# Altium PCB DIO_MCX.PCBDOC (part 1 of 3)
Units mm, origin at the board's own origin, x right, y up, seen from the top; angles counter-clockwise.
Board outline 159.99 x 100 mm, 4 copper layers (L1, P2, P3, L4), stack 1.571 mm thick; 224 components, 126 nets, 876 pads, 343 vias.
Unrouted connection lines stored in the file: 1.
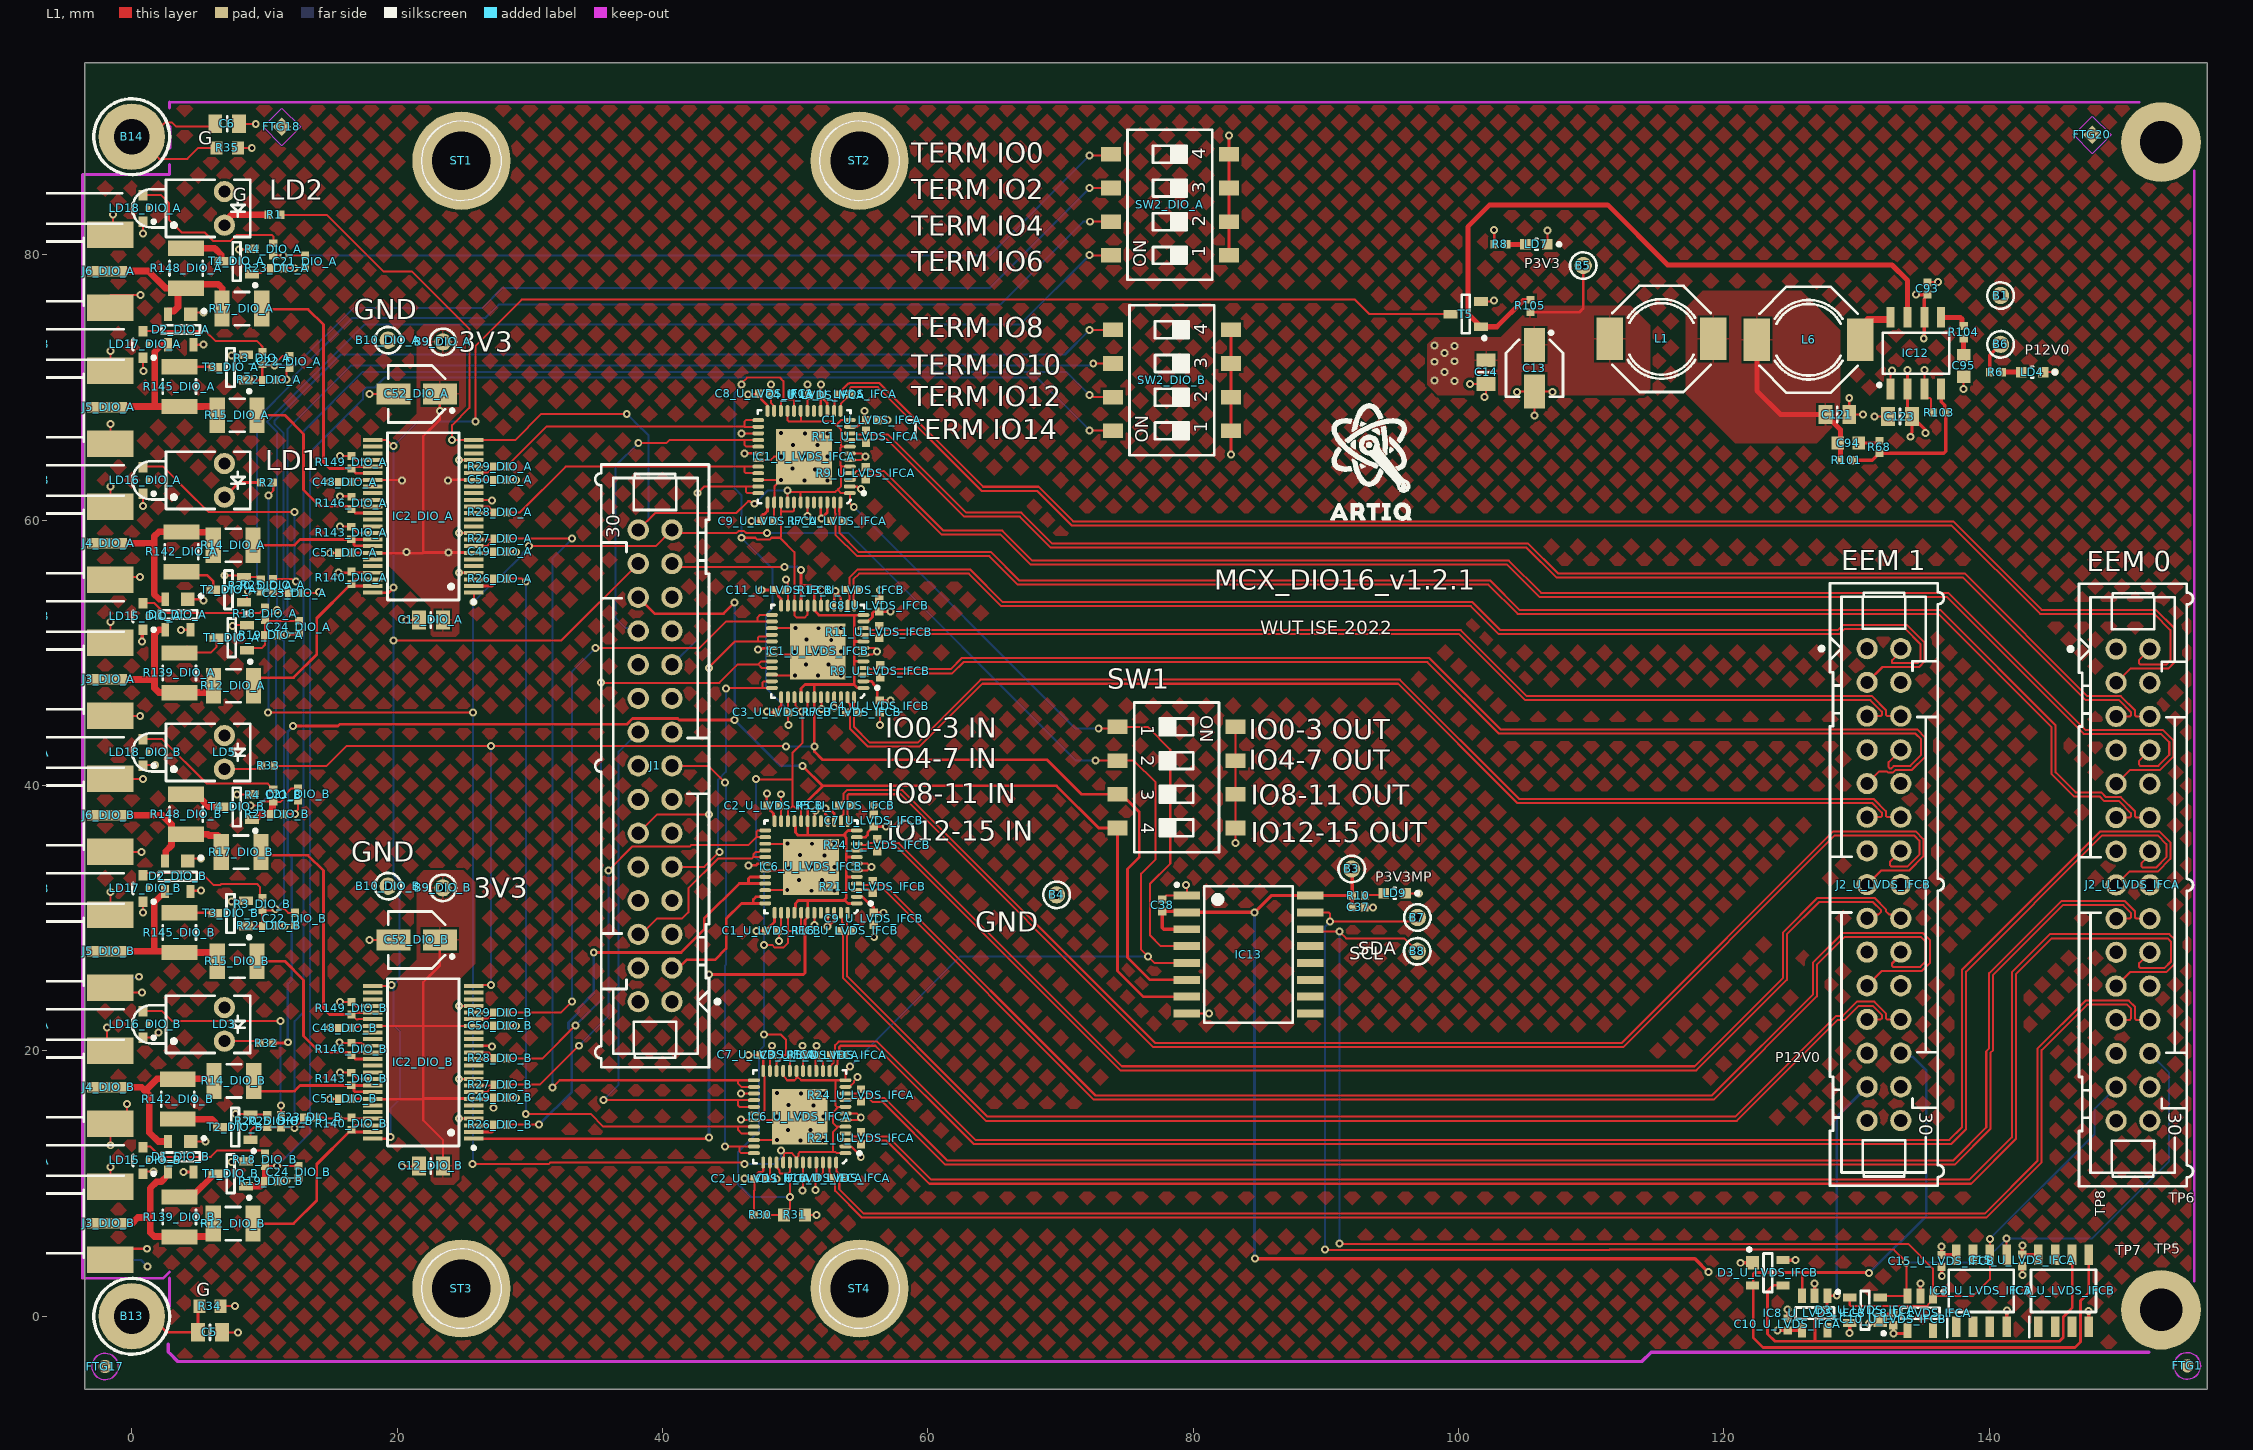
[diagram p0: L1 view]
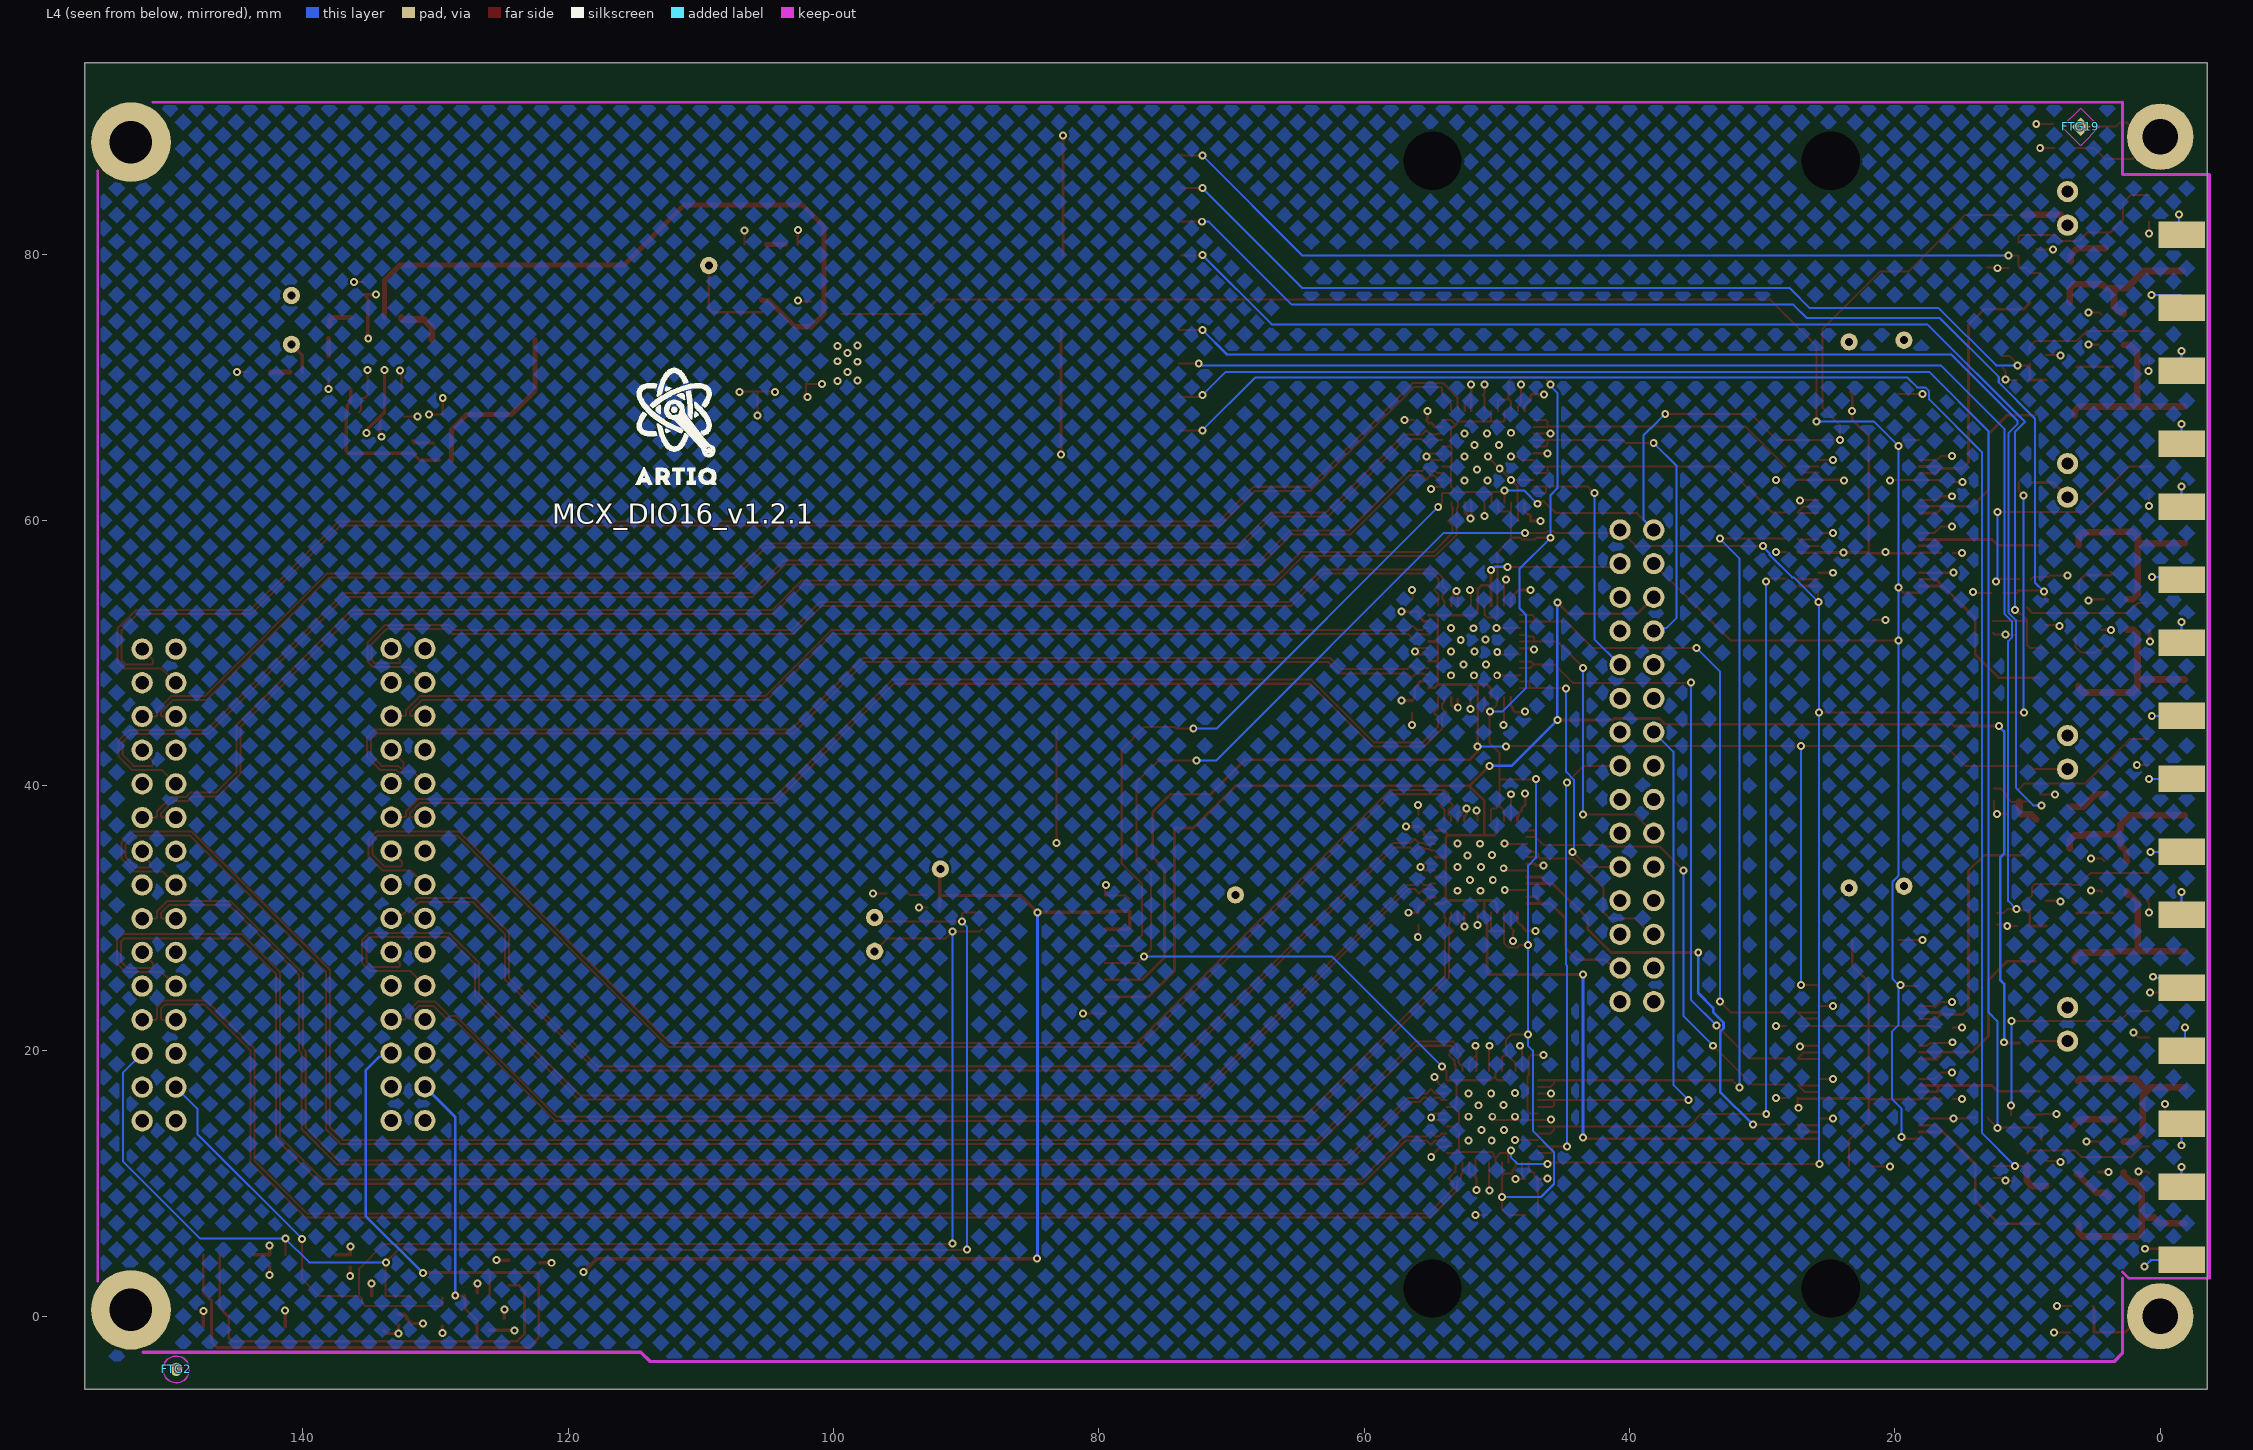
[diagram p1: L4 view, seen from below]
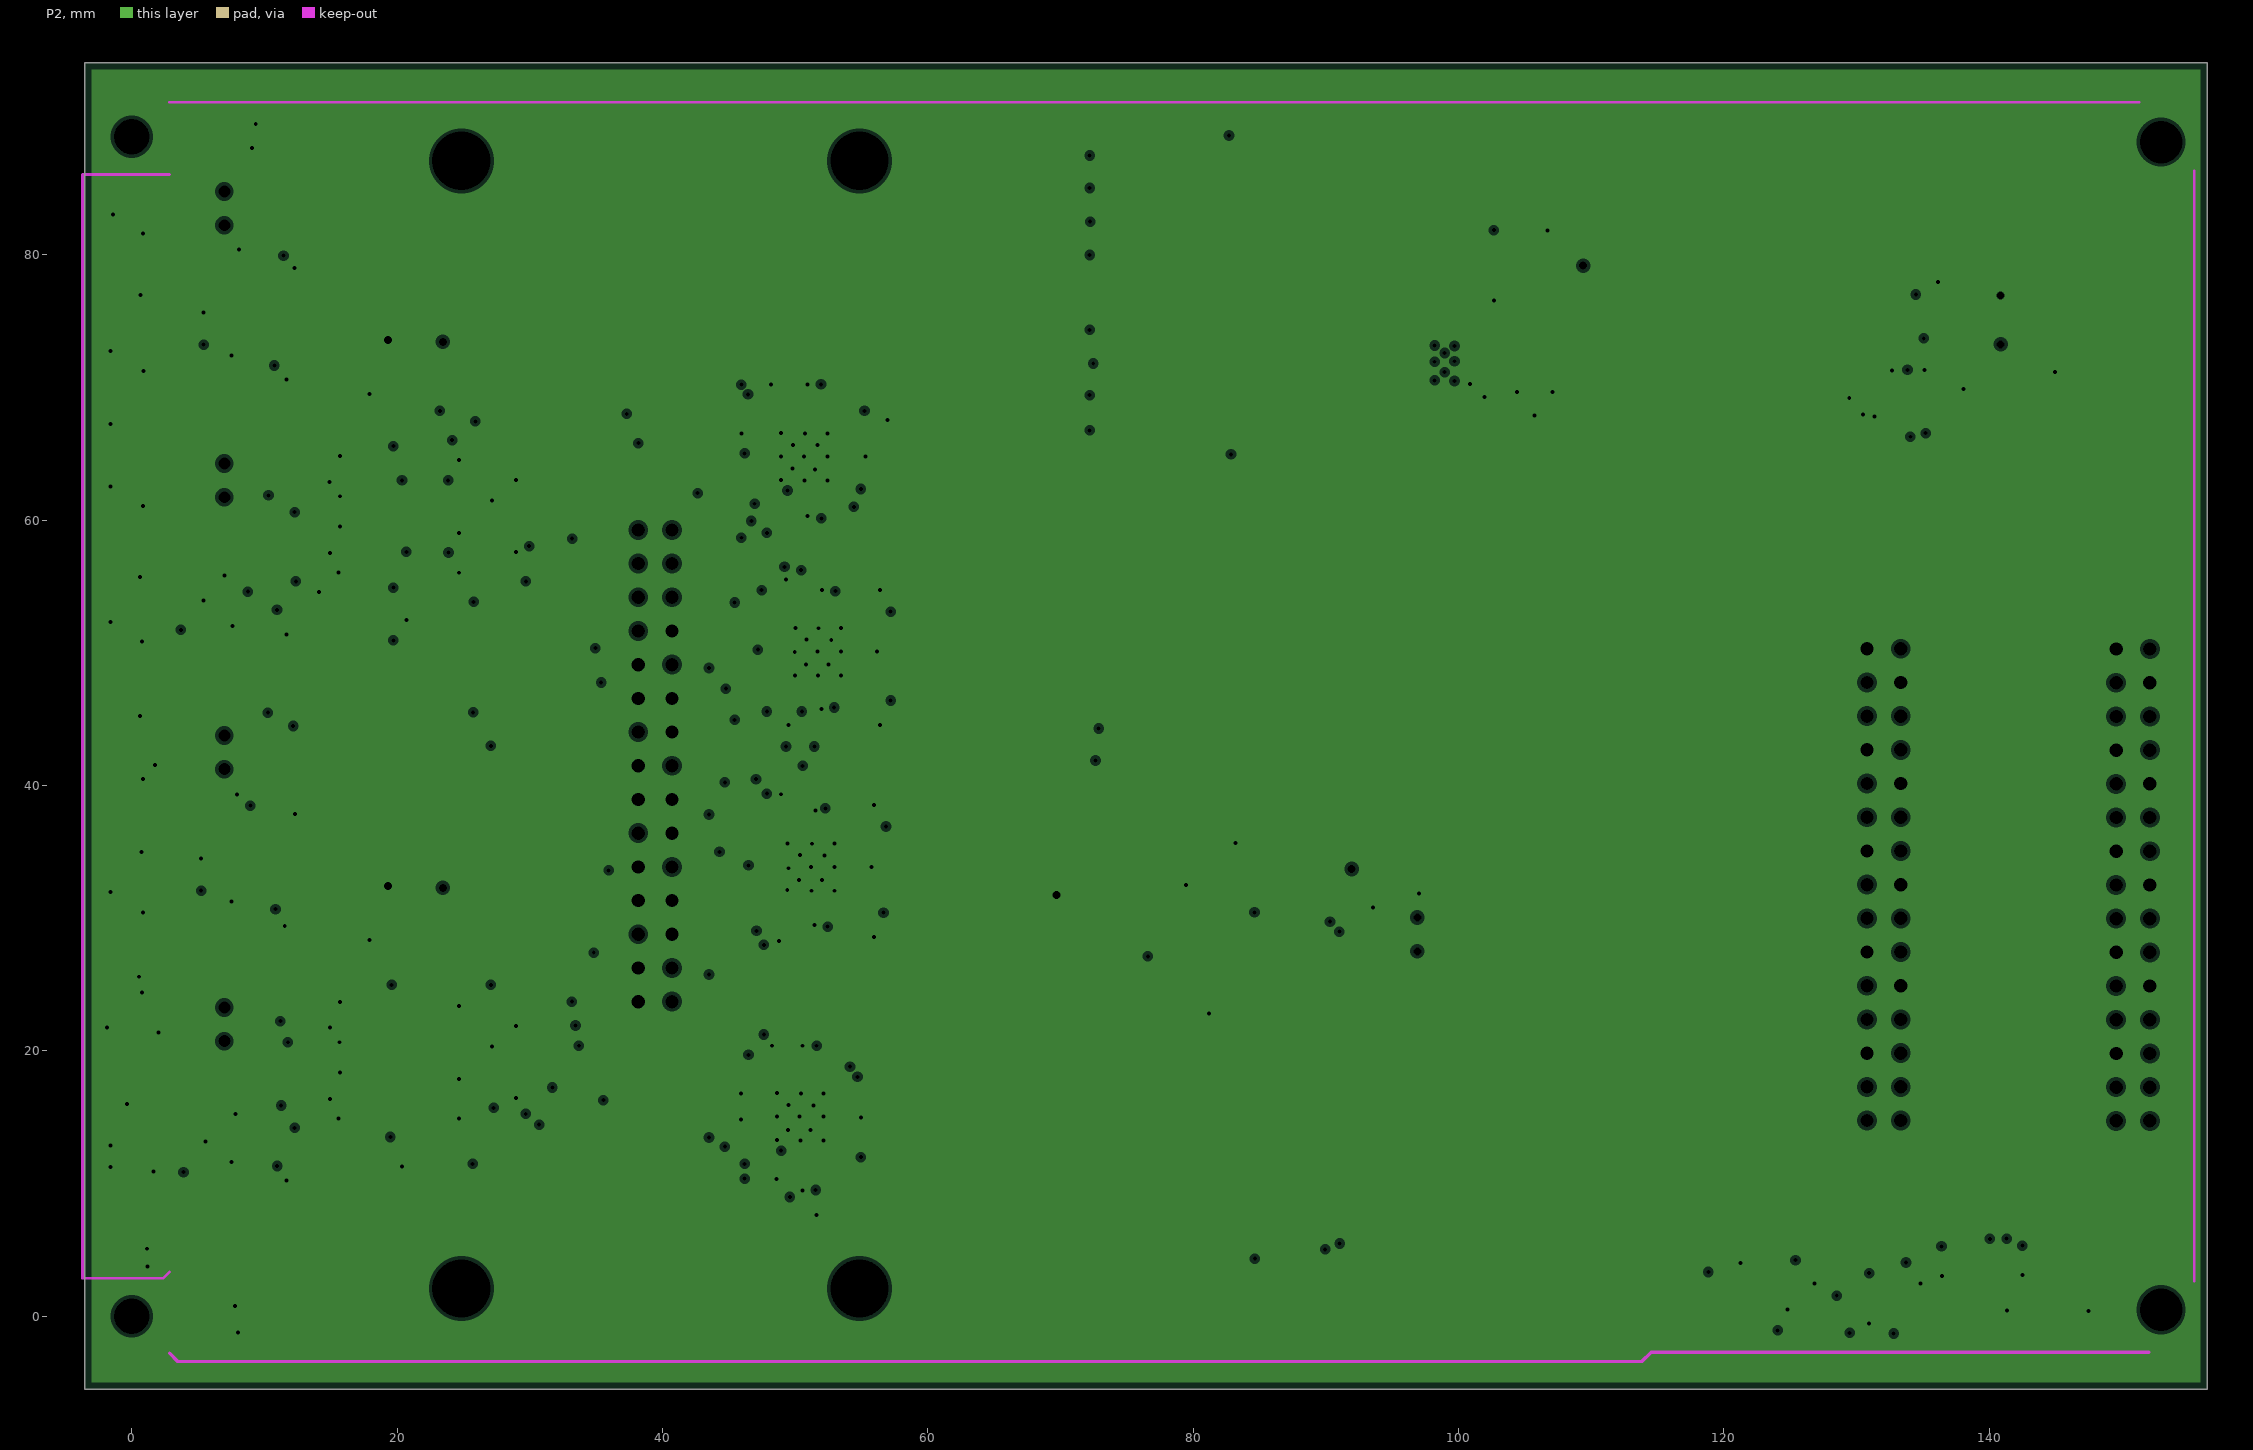
[diagram p2: P2, clearances drawn from the general rule]
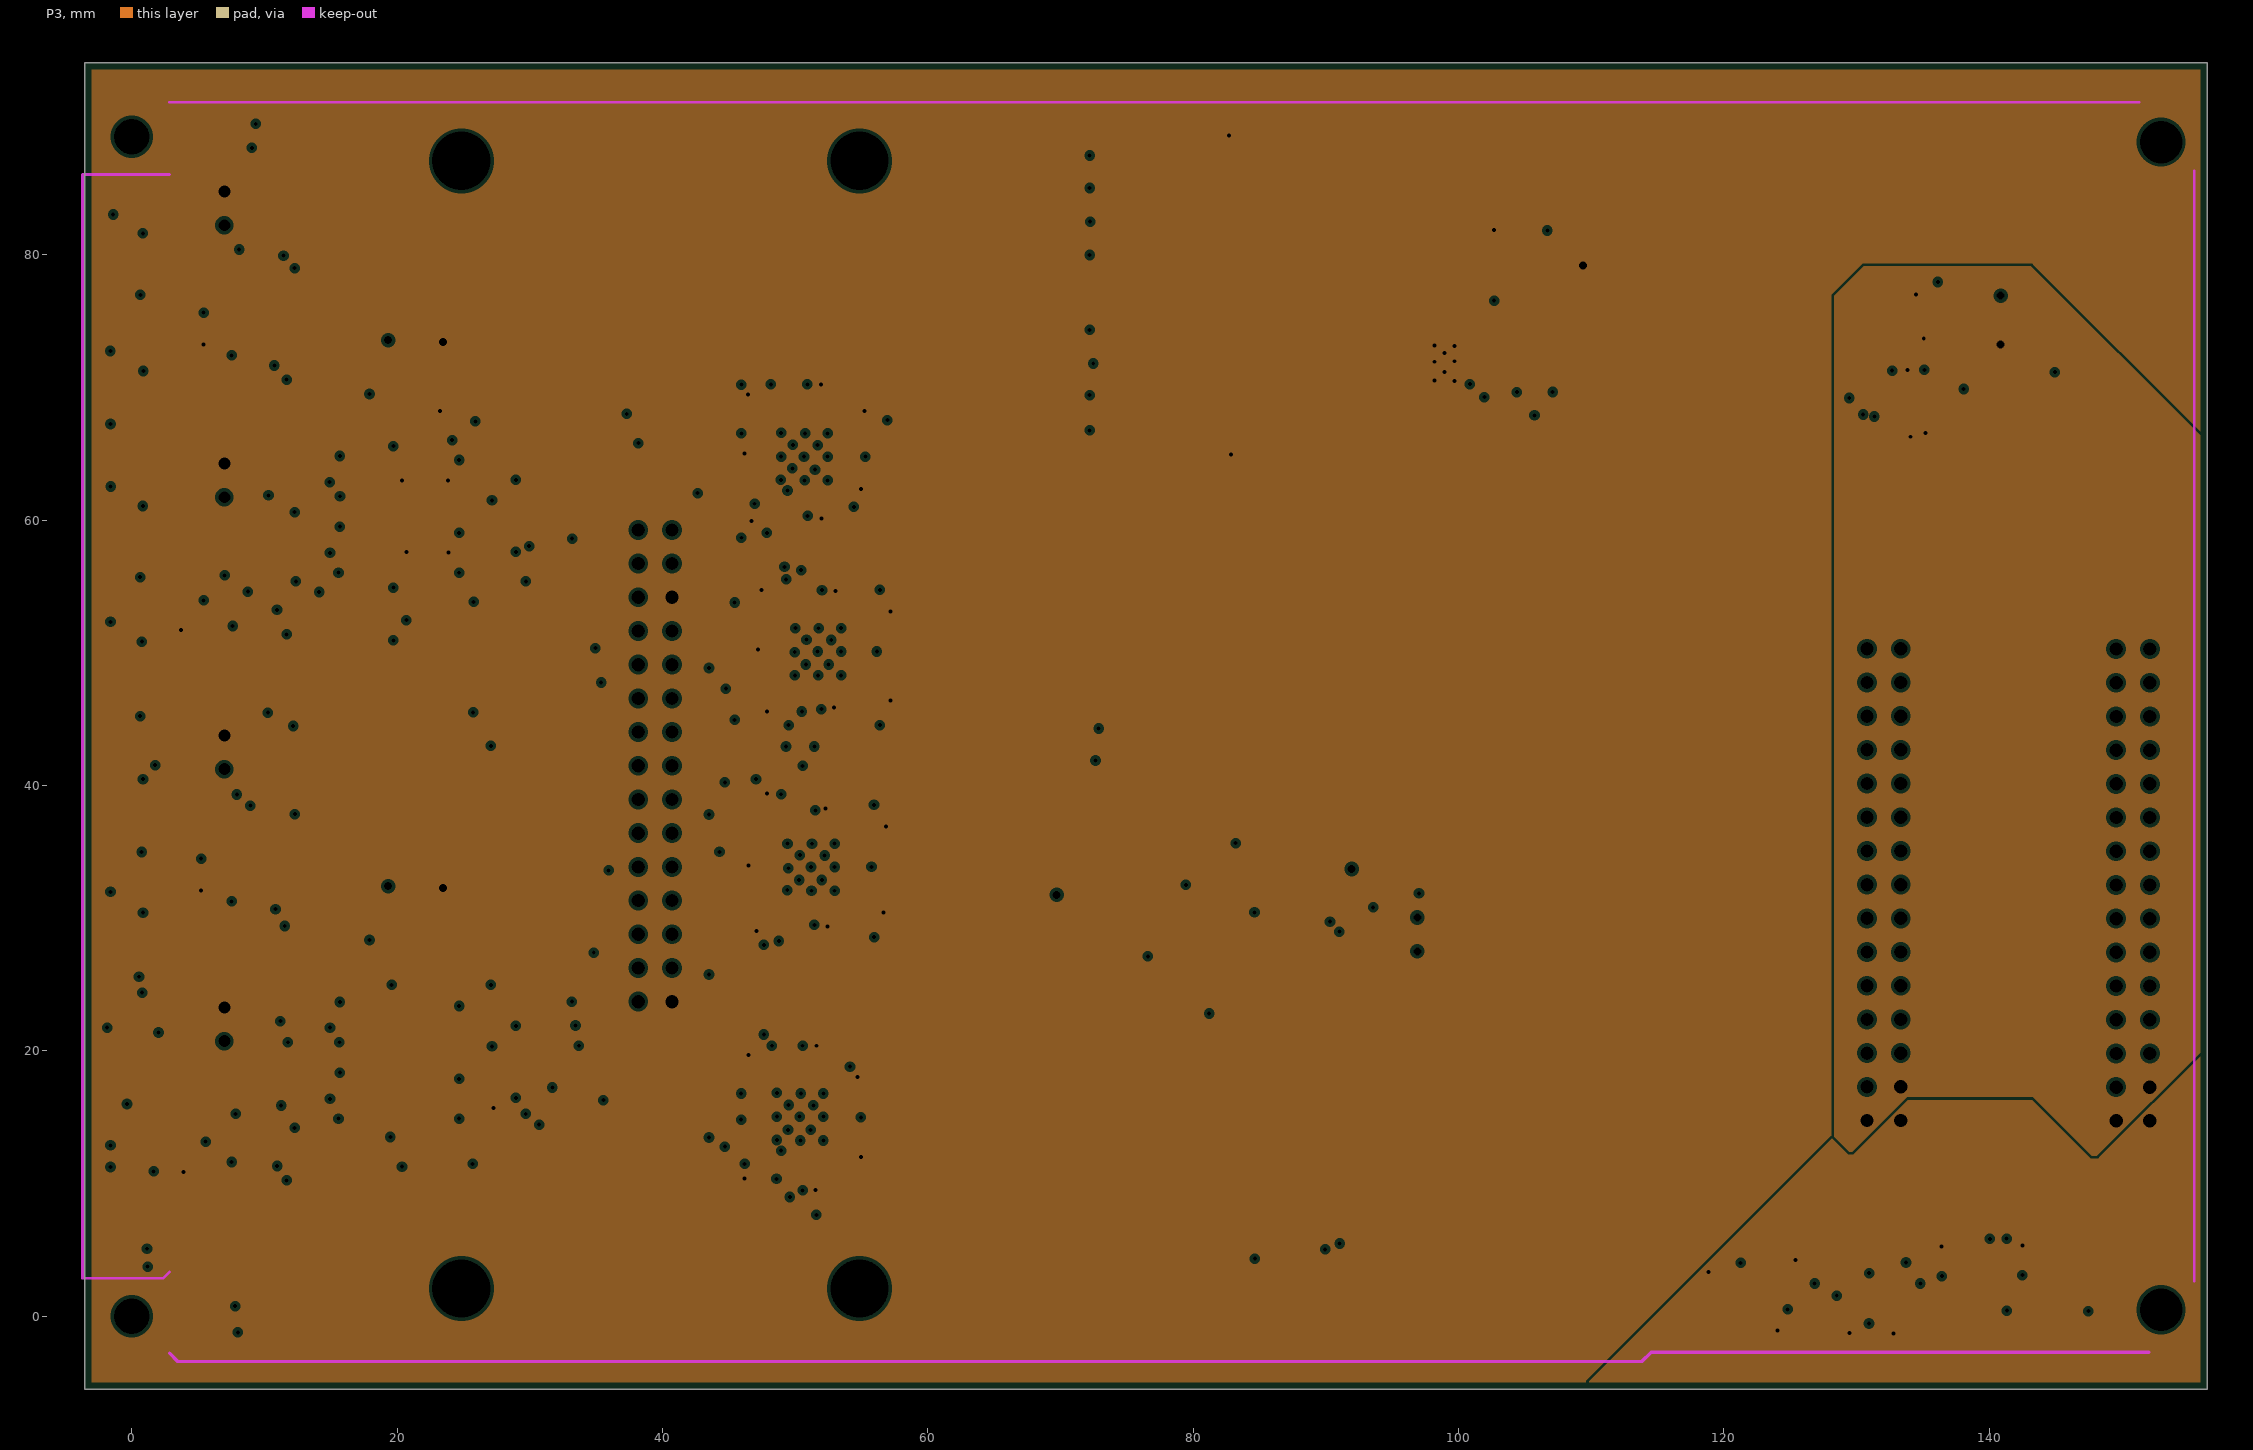
[diagram p3: P3, clearances drawn from the general rule]

## Layer stack, top to bottom
Top Solder: solder mask 0.034, Solder Resist, Dk 3.5
L1: signal copper 0.035
Dielectric 2: prepreg 0.2, 7628, Dk 4.1
P2: plane copper 0.018, net GND
Dielectric 3: prepreg 1.065, PP-006, Dk 4.1
P3: plane copper 0.018, net P3V3
Dielectric 1: prepreg 0.2, 7628, Dk 4.1
L4: signal copper 0.035
Bottom Solder: solder mask 0.034, Solder Resist, Dk 3.5

## Board outline
-3.556,2.113 -3.556,75.513 -3.556,86.488 -3.556,94.488 156.439,94.488 156.439,-5.512 -3.556,-5.512

## Design rules (kind name [scope] priority, off if disabled: settings)
AcuteAngle AcuteAngle_GND [InNet('GND')] p1: minimum=5.00000000000000E+0001 checktracksonly=FALSE
AcuteAngle [All] p2: minimum=5.00000000000000E+0001 checktracksonly=FALSE
Clearance Clearance_1 [InPolygon vs (InDifferentialPairClass('All Differential Pairs'))] p1: gap=0.254 ignorepadtopadclearanceinfootprint=FALSE except(0: Arc-Hole Track-Hole SMDPad-Hole THPad-Hole Via-Hole Fill-Hole Poly-Hole Region-Hole Text-Hole; 0.508: Track-Poly)
Clearance Clearance_KeepOut [OnLayer('Keep-Out Layer') vs NOT (InComponent('J8') OR InComponent('J11'))] p2: gap=0.127 ignorepadtopadclearanceinfootprint=FALSE
Clearance Clearance_50_Ohms [InNetClass('50_Ohms')] p3: gap=0.2 ignorepadtopadclearanceinfootprint=FALSE except(0: Arc-Hole Track-Hole SMDPad-Hole THPad-Hole Via-Hole Fill-Hole Poly-Hole Region-Hole Text-Hole)
Clearance Clearance_DiffPair_1 [(InDifferentialPairClass('All Differential Pairs')) vs (InDifferentialPairClass('All Differential Pairs'))] p4 off: gap=0.3 ignorepadtopadclearanceinfootprint=FALSE except(0: Arc-Hole Track-Hole SMDPad-Hole THPad-Hole Via-Hole Fill-Hole Poly-Hole Region-Hole Text-Hole)
Clearance [Not (OnLayer('Keep-Out Layer'))] p5: gap=0.127 ignorepadtopadclearanceinfootprint=FALSE except(0: Arc-Hole Track-Hole SMDPad-Hole THPad-Hole Via-Hole Fill-Hole Poly-Hole Region-Hole Text-Hole; 0.203: Arc-Poly Track-Poly SMDPad-Poly THPad-Poly Via-Poly Fill-Poly Poly-Poly)
Clearance Clearance_abs [All] p6: gap=0.127 ignorepadtopadclearanceinfootprint=FALSE
ComponentClearance ComponentClearance_STEP2 [InComponent('ST*', 'J1', 'B13', 'B14')] p1: gap=0 collisioncheckmode=3 verticalgap=0 showdistances=FALSE
ComponentClearance ComponentClearance_STEP1 [Identifier = '30848354-DIO_MCX-A01.v2'] p2: gap=0 collisioncheckmode=3 verticalgap=0 showdistances=FALSE
ComponentClearance ComponentClearance_STEP [Identifier = 'r113081000'] p3: gap=0 collisioncheckmode=3 verticalgap=0 showdistances=FALSE
ComponentClearance Clearance_ERNI [(HasFootprint('ERMET ZD 3-10 CONNECTOR')) vs (HasFootprint('ERMET ZD 3-10 CONNECTOR'))] p4: gap=0 collisioncheckmode=3 verticalgap=0.254 showdistances=FALSE
ComponentClearance Clearance_Radiall_Placement [HasFootprint('Coaxipack2') vs HasFootprint('Coaxipack2')] p5: gap=0 collisioncheckmode=3 verticalgap=0.254 showdistances=FALSE
ComponentClearance [All] p6: gap=0.254 collisioncheckmode=3 verticalgap=0.254 showdistances=FALSE
DiffPairsRouting CLK_DiffPairsRouting [(InDifferentialPairClass('All Differential Pairs'))] p1: maxlimit=0.152 minlimit=0.127 mostfreqgap=0.152 toplayer_minwidth=0.041 toplayer_maxwidth=0.178 toplayer_prefwidth=0.178 bottomlayer_minwidth=0.041 bottomlayer_maxwidth=0.178 bottomlayer_prefwidth=0.178 impedanceprofiledriven=TRUE impedanceprofileid={1638B388-A55E-4872-B911-ACA13AA289D7} impedanceprofilevalue=100.000000 maxuncoupledlength=10
FabricationTestPointUsage TestPointUsage [All] p1: valid=0 allowmultiple=FALSE
FabricationTestpoint Testpoint [(IsPad And (OnTopLayer Or OnBottomLayer))] p1: side=3 testpointundercomponent=TRUE minsize=1.016 maxsize=2.54 preferedsize=1.524 minholesize=0 maxholesize=1.016 preferedholesize=0.813 testpointgrid=0.025 allowsidetop=TRUE allowsidebottom=TRUE usegrid=TRUE gridtolerance=0
Height BottomHeight [All] p1: minheight=0 maxheight=20 prefheight=10
Height TopHeight [OnLayer('Top Layer (LO)')] p2: minheight=0 maxheight=2.5 prefheight=1
HoleSize [All] p1: absolutevalues=TRUE maxlimit=5 minlimit=0.2 maxpercent=80.000 minpercent=20.000
HoleToHoleClearance [All] p1: gap=0.2 allowstackedmicrovias=TRUE
Length [All] p1 off: maxlimit=2540 minlimit=0
MatchedLengths MatchLengths_IC10_Passives_IC13A,IC13B,IC13C,IC13D,IC2A,IC2B,IC2C,IC2D_1 [InxSignalClass('xSignals_IC10_Passives_IC13A,IC13B,IC13C,IC13D,IC2A,IC2B,IC2C,IC2D_MatchLengthsClass')] p1: tolerance=2.54 checknetsindiffpair=FALSE checkdiffpairvsdiffpair=TRUE checkxsignals=TRUE checkothers=TRUE
MatchedLengths MatchLengths_xSignals_IC10_Passives_1 [InxSignalClass('xSignals_IC10_Passives_MatchLengthsClass_1')] p2: tolerance=2.54 checknetsindiffpair=FALSE checkdiffpairvsdiffpair=TRUE checkxsignals=TRUE checkothers=TRUE
MatchedLengths MatchLengths_xSignals_IC10_IC13A,IC13B,IC13C,IC13D,IC2A,IC2B,IC2C,IC2D_1 [InxSignalClass('xSignals_IC10_IC13A,IC13B,IC13C,IC13D,IC2A,IC2B,IC2C,IC2D_MatchLengthsClass')] p3: tolerance=2.54 checknetsindiffpair=FALSE checkdiffpairvsdiffpair=TRUE checkxsignals=TRUE checkothers=TRUE
MatchedLengths MatchLengths_IC10_Passives_IC13A,IC13B,IC13C,IC13D,IC2A,IC2B,IC2C,IC2D [InxSignalClass('xSignals_IC10_Passives_IC13A,IC13B,IC13C,IC13D,IC2A,IC2B,IC2C,IC2D_MatchLengthsClass')] p4: tolerance=2.54 checknetsindiffpair=FALSE checkdiffpairvsdiffpair=TRUE checkxsignals=TRUE checkothers=TRUE
MatchedLengths MatchLengths_xSignals_IC10_Passives [InxSignalClass('xSignals_IC10_Passives_MatchLengthsClass')] p5: tolerance=2.54 checknetsindiffpair=FALSE checkdiffpairvsdiffpair=TRUE checkxsignals=TRUE checkothers=TRUE
MatchedLengths MatchLengths_xSignals_IC10_IC13A,IC13B,IC13C,IC13D,IC2A,IC2B,IC2C,IC2D [InxSignalClass('xSignals_IC10_IC13A,IC13B,IC13C,IC13D,IC2A,IC2B,IC2C,IC2D_MatchLengthsClass')] p6: tolerance=2.54 checknetsindiffpair=FALSE checkdiffpairvsdiffpair=TRUE checkxsignals=TRUE checkothers=TRUE
MatchedLengths MatchLengths_xSignals_IC10_IC23A,IC23B,IC23C,IC23D [InxSignalClass('xSignals_IC10_IC23A,IC23B,IC23C,IC23D_MatchLengthsClass')] p7: tolerance=2.54 checknetsindiffpair=FALSE checkdiffpairvsdiffpair=TRUE checkxsignals=TRUE checkothers=TRUE
MatchedLengths Update [InxSignalClass('UPDATE')] p8: tolerance=5 checknetsindiffpair=FALSE checkdiffpairvsdiffpair=TRUE checkxsignals=TRUE checkothers=TRUE
MatchedLengths RFSW [InxSignalClass('RFSW')] p9: tolerance=5 checknetsindiffpair=FALSE checkdiffpairvsdiffpair=TRUE checkxsignals=TRUE checkothers=TRUE
MatchedLengths "IO 11 15" [InxSignalClass('IO11_15')] p10: tolerance=5 checknetsindiffpair=FALSE checkdiffpairvsdiffpair=TRUE checkxsignals=TRUE checkothers=TRUE
MatchedLengths "DDS SYNC" [InxSignalClass('DDSx_SYNC')] p11: tolerance=5 checknetsindiffpair=FALSE checkdiffpairvsdiffpair=TRUE checkxsignals=TRUE checkothers=TRUE